# KiCad board mtk64_R_rev2.kicad_pcb (continued)
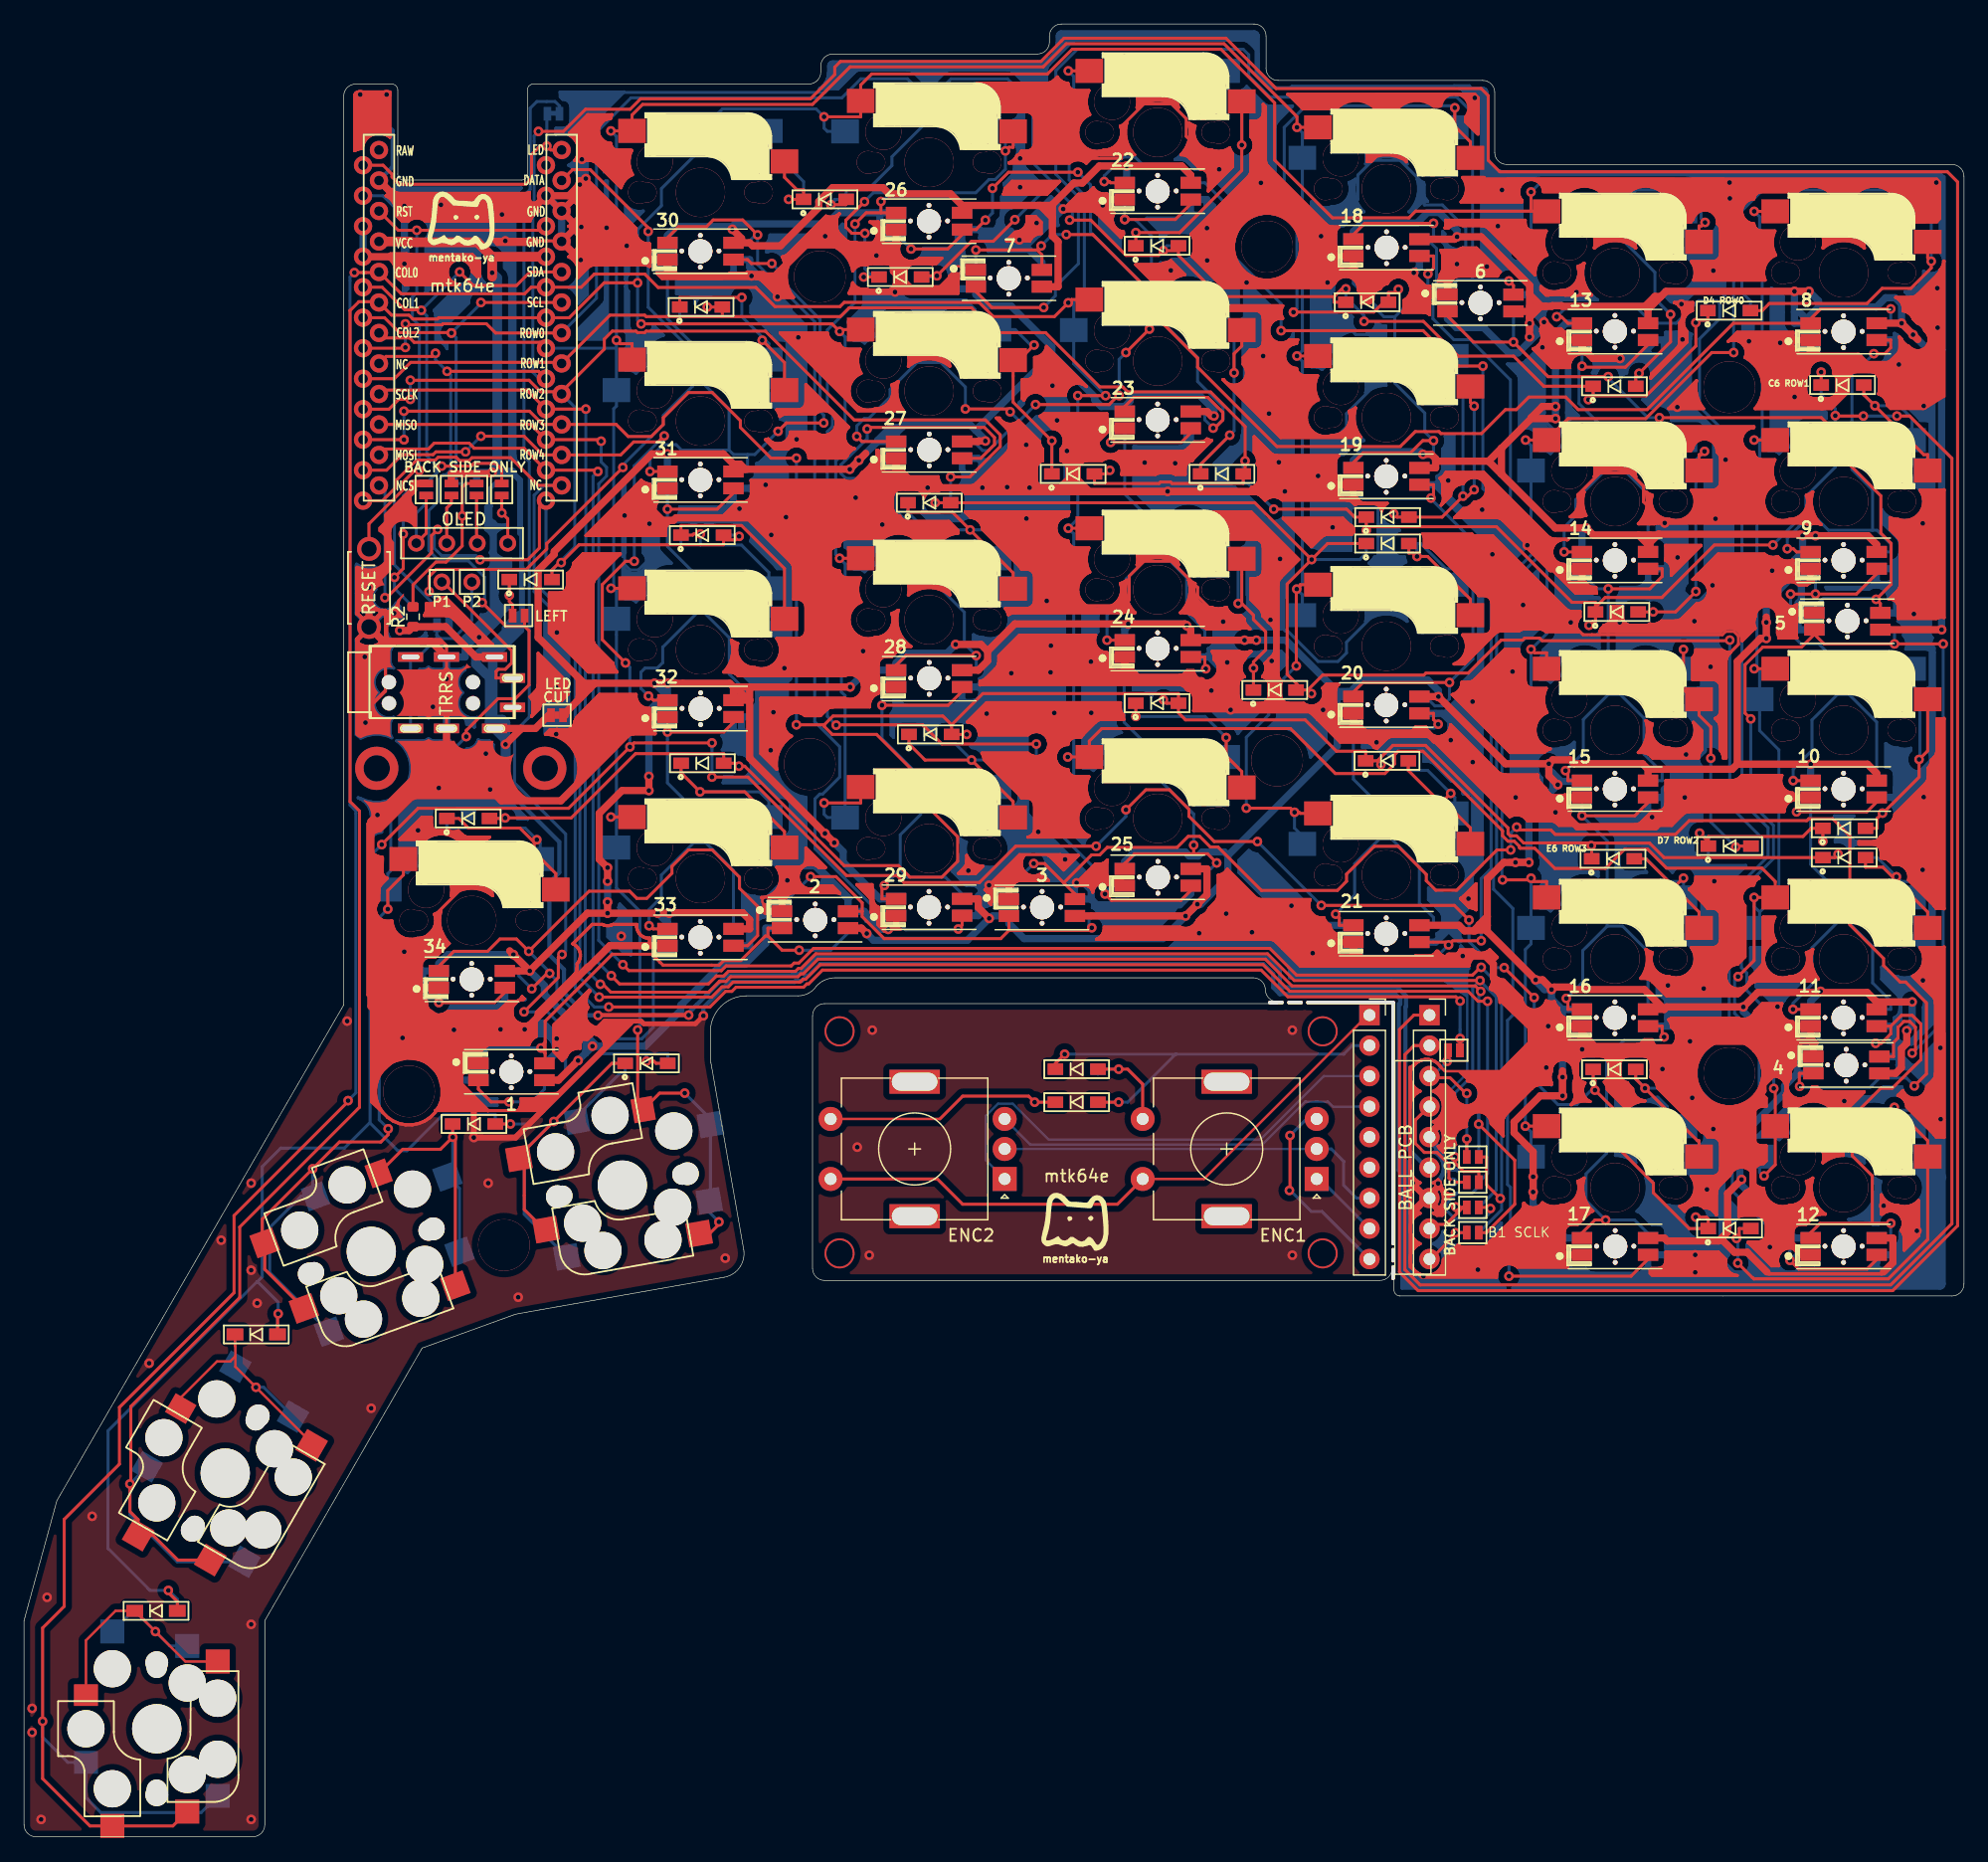
[diagram p0: board, top side]
## Routing (per net, layer and track width the routed paths; a pad name or vN(x,y) marks a point on that pad's centre or on a via; arc(x,y) is an arc through that point) (continued)
146.15,103.62 ; 88.29,114.59 88.18,114.53 ; 88.29,114.59 88.41,114.63 ; 88.29,114.59 88.18,114.53 ; 88.29,114.59 88.41,114.63 ; 84.09,121.65 84.15,121.76 ; 84.09,121.65 84.15,121.76 ; 84.15,121.76 84.19,121.88 ; 84.15,121.76 84.19,121.88 ; 49.88,137.73 49.76,137.44 ; 49.88,137.73 49.76,137.44 ; 89.97,114.74 89.81,114.64 ; 89.97,114.74 89.81,114.64 ; 89.97,114.74 90.16,114.82 ; 89.97,114.74 90.16,114.82 ; 89.81,114.64 88.53,114.64 ; 89.81,114.64 88.53,114.64 ; 84.64,133.55 84.44,133.51 ; 84.64,133.55 84.44,133.51 ; 147.15,63.55 147.15,63.59 ; 147.15,63.55 147.15,63.59 ; 76.43,112.23 76.31,112.19 ; 76.43,112.23 76.31,112.19 ; 30.46,141.59 30.48,141.58 ; 30.46,141.59 30.48,141.58 ; 83.85,90.11 84.04,90.03 ; 83.85,90.11 83.68,90.22 ; 83.85,90.11 83.68,90.22 ; 83.85,90.11 84.04,90.03 ; 84.04,90.03 84.24,89.99 ; 84.04,90.03 84.24,89.99 ; 84.67,136.83 84.62,136.83 ; 84.67,136.83 84.62,136.83 ; 84.62,136.83 81.61,136.83 ; 84.62,136.83 81.61,136.83 ; 133.18,63 133.28,62.92 ; 133.18,63 133.28,62.92 ; 108.8,75.94 108.63,76.05 ; 108.8,75.94 108.63,76.05 ; 100.45,140.68 100.29,140.57 ; 100.45,140.68 100.29,140.57 ; 132.07,116.93 132.16,116.52 ; 132.07,116.93 132.16,116.52 ; 84.83,90.11 85,90.22 ; 84.83,90.11 85,90.22 ; 46.81,68.13 46.77,68.33 ; 46.81,68.13 46.77,68.33 ; 46.77,68.33 46.77,68.54 ; 46.77,68.33 46.77,68.54 ; 145.01,111.69 144.94,111.38 ; 145.01,111.69 144.94,111.38 ; 139.39,52.65 139.18,52.65 ; 139.39,52.65 139.18,52.65 ; 139.18,52.65 138.98,52.61 ; 139.18,52.65 138.98,52.61 ; 146.73,68.12 146.9,68.01 ; 146.73,68.12 146.58,68.27 ; 146.73,68.12 146.9,68.01 ; 146.73,68.12 146.58,68.27 ; 146.9,68.01 147.08,67.93 ; 146.9,68.01 147.08,67.93 ; 94.87,108.75 94.87,109.17 ; 94.87,108.75 94.87,109.17 ; 147.38,124.39 147.37,124.18 ; 147.38,124.39 147.53,124.55 ; 147.38,124.39 147.53,124.55 ; 147.38,124.39 147.37,124.18 ; 147.37,124.18 143.33,124.18 ; 147.37,124.18 147.38,124.05 ; 147.37,124.18 147.38,124.05 ; 147.37,124.18 143.33,124.18 ; 147.37,124.18 143.33,124.18 ; 147.37,124.18 143.33,124.18 ; 134.2,84.29 134.17,84.29 ; 134.2,84.29 134.17,84.29 ; 156.45,51.59 156.34,51.76 ; 156.45,51.59 156.34,51.76 ; 156.45,51.59 156.53,51.4 ; 156.45,51.59 156.53,51.4 ; 145.52,131.51 145.78,131.68 ; 145.52,131.51 145.78,131.68 ; 156.2,103.9 156.27,104.03 ; 156.2,103.9 156.27,104.03 ; 156.2,103.9 156.15,103.85 ; 156.2,103.9 156.15,103.85 ; 156.27,104.03 156.28,104.06 ; 156.27,104.03 156.28,104.06 ; 122.25,103 122.19,103.11 ; 122.25,103 122.19,103.11 ; 122.25,103 122.29,102.88 ; 122.25,103 122.29,102.88 ; 124.8,136.31 124.8,136.17 ; 124.8,136.31 124.8,136.17 ; 117.58,59.49 117.42,59.56 ; 117.58,59.49 117.65,59.25 ; 117.58,59.49 117.42,59.56 ; 117.58,59.49 117.65,59.25 ; 66.92,106.39 66.92,106.6 ; 66.92,106.39 66.92,106.6 ; 149.16,109.41 148.96,109.37 ; 149.16,109.41 149.36,109.41 ; 149.16,109.41 149.36,109.41 ; 149.16,109.41 148.96,109.37 ; 64.96,102.91 64.86,102.99 ; 64.96,102.91 64.86,102.99 ; 46.18,135.22 46.2,135.5 ; 46.18,135.22 46.12,134.96 ; 46.18,135.22 46.2,135.5 ; 46.18,135.22 46.12,134.96 ; 46.2,135.5 46.16,135.77 ; 46.2,135.5 46.16,135.77 ; 135.55,90.01 135.52,90.05 ; 135.55,90.01 135.52,90.05 ; 43.77,100.29 43.77,103.61 ; 43.77,100.29 43.77,103.61 ; 107.09,77.28 107.17,77.09 ; 107.09,77.28 107.17,77.09 ; 107.09,77.28 107.05,77.48 ; 107.09,77.28 107.05,77.48 ; 107.17,77.09 107.28,76.92 ; 107.17,77.09 107.28,76.92 ; 115.99,62.29 115.8,62.49 ; 115.99,62.29 115.8,62.49 ; 96.19,105.95 96.17,105.96 ; 96.19,105.95 96.14,106.21 ; 96.19,105.95 96.14,106.21 ; 96.19,105.95 96.17,105.96 ; 35.64,131.15 35.49,131.01 ; 35.64,131.15 35.81,131.26 ; 35.64,131.15 35.49,131.01 ; 35.64,131.15 35.81,131.26 ; 35.49,131.01 35.38,130.84 ; 35.49,131.01 35.38,130.84 ; 146.69,71.54 146.99,71.6 ; 146.69,71.54 146.99,71.6 ; 146.99,71.6 147.09,71.64 ; 146.99,71.6 147.09,71.64 ; 159.24,77.45 159.18,77.53 ; 159.24,77.45 159.27,77.41 ; 159.24,77.45 159.27,77.41 ; 159.24,77.45 159.18,77.53 ; 109.28,94.2 109.31,94.28 ; 109.28,94.2 109.31,94.28 ; 137.08,71.64 137.18,71.6 ; 137.08,71.64 137.18,71.6 ; 137.18,71.6 137.48,71.54 ; 137.18,71.6 137.48,71.54 ; 136.75,65.59 136.95,65.63 ; 136.75,65.59 136.55,65.59 ; 136.75,65.59 136.55,65.59 ; 136.75,65.59 136.95,65.63 ; 82.32,101.93 82.2,101.9 ; 82.32,101.93 82.2,101.9 ; 82.32,101.93 82.37,101.95 ; 82.32,101.93 82.37,101.95 ; 82.2,101.9 82.03,101.81 ; 82.2,101.9 82.03,101.81 ; 81.77,102.32 83.56,102.32 ; 81.77,102.32 83.56,102.32 ; 80,145.18 79.84,145.57 ; 80,145.18 79.84,145.57 ; 84.19,140.93 84.2,141.06 ; 84.19,140.93 84.2,141.06 ; 84.2,141.06 84.2,143.06 ; 84.2,141.06 84.2,143.06 ; 129.94,105.77 129.94,105.75 ; 129.94,105.77 129.94,105.75 ; 129.94,105.77 129.68,105.77 ; 129.94,105.77 129.68,105.77 ; 99.15,98.07 99.15,98.24 ; 99.15,98.07 99.15,98.24 ; 99.15,98.24 99.15,98.28 ; 99.15,98.24 99.15,98.28 ; 70.72,78.13 70.74,77.98 ; 70.72,78.13 70.72,78.16 ; 70.72,78.13 70.72,78.16 ; 70.72,78.13 70.74,77.98 ; 70.74,77.98 70.78,77.83 ; 70.74,77.98 70.78,77.83 ; 91.9,102.06 91.7,102.02 ; 91.9,102.06 91.7,102.02 ; 39.62,68.85 39.74,68.95 ; 39.62,68.85 39.49,68.78 ; 39.62,68.85 39.49,68.78 ; 39.62,68.85 39.74,68.95 ; 39.74,68.95 39.76,68.98 ; 39.74,68.95 39.76,68.98 ; 51.01,133.43 51.09,133.24 ; 51.01,133.43 51.09,133.24 ; 51.09,133.24 51.2,133.07 ; 51.09,133.24 51.2,133.07 ; 119.82,136.27 119.73,136.17 ; 119.82,136.27 119.73,136.17 ; 121.25,62.03 121.21,62.23 ; 121.25,62.03 121.21,62.23 ; 109.31,132.38 109.28,132.45 ; 109.31,132.38 109.28,132.45 ; 84.72,115.79 84.83,115.62 ; 84.72,115.79 84.83,115.62 ; 84.83,115.62 84.88,115.57 ; 84.83,115.62 84.88,115.57 ; 96.41,140.11 96.39,140.11 ; 96.41,140.11 96.39,140.11 ; 82.6,133.66 82.66,133.66 ; 82.6,133.66 82.66,133.66 ; 134.02,62.25 134.02,62.31 ; 134.02,62.25 134.02,62.31 ; 120.65,49.13 120.71,49.15 ; 120.65,49.13 120.53,49.12 ; 120.65,49.13 120.53,49.12 ; 120.65,49.13 120.71,49.15 ; 95.99,129.9 96.38,130.06 ; 95.99,129.9 96.38,130.06 ; 53.48,93.42 53.74,93.42 ; 53.48,93.42 53.48,93.4 ; 53.48,93.42 53.74,93.42 ; 53.48,93.42 53.48,93.4 ; 53.74,93.42 53.74,93.4 ; 53.74,93.42 53.74,93.4 ; 146.09,101.78 146.03,101.96 ; 146.09,101.78 146.03,101.96 ; 73.22,113.39 73.12,113.48 ; 73.22,113.39 73.12,113.48 ; 95.11,109.97 94.95,109.58 ; 95.11,109.97 94.95,109.58 ; 90.22,135.88 90.23,135.75 ; 90.22,135.88 90.22,136.09 ; 90.22,135.88 90.22,136.09 ; 90.22,135.88 90.23,135.75 ; 146.7,61.85 146.78,62.03 ; 146.7,61.85 146.78,62.03 ; 129.73,62.92 129.84,62.86 ; 129.73,62.92 129.84,62.86 ; 129.73,62.92 129.63,63 ; 129.73,62.92 129.63,63 ; 103.72,96 103.71,96.13 ; 103.72,96 103.72,95.05 ; 103.72,96 103.71,96.13 ; 103.72,96 103.72,95.05 ; 121.11,73.64 121.31,73.6 ; 121.11,73.64 121.31,73.6 ; 121.11,73.64 120.92,73.72 ; 121.11,73.64 120.92,73.72 ; 121.31,73.6 121.51,73.6 ; 121.31,73.6 121.51,73.6 ; 88.46,139.46 88.3,139.57 ; 88.46,139.46 88.3,139.57 ; 72.72,101.64 72.72,101.11 ; 72.72,101.64 72.72,101.11 ; 147.56,104.67 147.66,104.6 ; 147.56,104.67 147.66,104.6 ; 147.56,104.67 147.48,104.77 ; 147.56,104.67 147.48,104.77 ; 147.66,104.6 147.77,104.54 ; 147.66,104.6 147.77,104.54 ; 28.68,102.42 29,102.4 ; 28.68,102.42 29,102.4 ; 117.11,73.39 117.23,73.4 ; 117.11,73.39 115.94,73.39 ; 117.11,73.39 115.94,73.39 ; 117.11,73.39 117.23,73.4 ; 106.31,121.82 106.42,121.76 ; 106.31,121.82 106.42,121.76 ; 67.12,134.92 67.33,134.92 ; 67.12,134.92 67.33,134.92 ; 144.31,79.7 144.23,79.6 ; 144.31,79.7 144.23,79.6 ; 144.23,79.6 144.17,79.49 ; 144.23,79.6 144.17,79.49 ; 48.98,143.45 46.97,143.45 45.46,141.94 45.46,141.74 ; 48.98,143.45 48.92,143.34 ; 48.98,143.45 48.92,143.34 ; 140.98,134.97 140.86,135.14 ; 140.98,134.97 140.86,135.14 ; 140.86,135.14 140.72,135.28 ; 140.86,135.14 140.72,135.28 ; 58.79,130.24 59.96,130.24 ; 58.79,130.24 58.74,130.14 ; 58.79,130.24 58.74,130.14 ; 58.79,130.24 59.96,130.24 ; 113.85,129.71 113.7,129.57 ; 113.85,129.71 113.7,129.57 ; 113.7,129.57 113.59,129.4 ; 113.7,129.57 113.59,129.4 ; 88.86,79.06 88.76,79.14 ; 88.86,79.06 88.94,78.96 ; 88.86,79.06 88.94,78.96 ; 88.86,79.06 88.76,79.14 ; 83.31,119.67 83.17,119.82 ; 83.31,119.67 83.17,119.82 ; 30.76,64.56 31.26,64.77 ; 30.76,64.56 31.26,64.77 ; 81.88,117.32 81.85,117.35 ; 81.88,117.32 81.85,117.35 ; 111.22,111.28 111.32,111.19 ; 111.22,111.28 111.32,111.19 ; 144.45,71.27 144.37,71.27 ; 144.45,71.27 144.37,71.27 ; 144.37,71.27 144.27,71.26 ; 144.37,71.27 144.27,71.26 ; 104.03,111.62 103.83,111.58 ; 104.03,111.62 103.83,111.58 ; 45.68,92.4 45.76,92.5 ; 45.68,92.4 45.76,92.5 ; 148.93,73.39 148.93,72.86 ; 148.93,73.39 148.93,72.86 ; 148.93,72.86 149.03,72.34 ; 148.93,72.86 149.03,72.34 ; 50.99,94.92 50.99,95.13 ; 50.99,94.92 50.99,95.13 ; 127.19,62.98 127.15,63.18 ; 127.19,62.98 127.15,63.18 ; 109.28,113.4 109.31,113.33 ; 109.28,113.4 109.27,113.53 ; 109.28,113.4 109.31,113.33 ; 109.28,113.4 109.27,113.53 ; 140.17,52.38 140.13,52.38 ; 140.17,52.38 140.13,52.38 ; 150.08,57.26 150.43,57.5 ; 150.08,57.26 149.87,57.17 ; 150.08,57.26 150.43,57.5 ; 150.08,57.26 149.87,57.17 ; 150.43,57.5 150.73,57.79 ; 150.43,57.5 150.73,57.79 ; 46.19,130.21 46.19,130.48 ; 46.19,130.21 46.14,129.94 ; 46.19,130.21 46.14,129.94 ; 46.19,130.21 46.19,130.48 ; 46.19,130.48 46.14,130.75 ; 46.19,130.48 46.14,130.75 ; 47.1,70.53 46.44,69.87 ; 47.1,70.53 47.1,70.53 ; 47.1,70.53 46.44,69.87 ; 47.1,70.53 47.1,70.53 ; 46.44,69.87 46.42,69.85 ; 46.44,69.87 46.42,69.85 ; 144.1,54.45 144.11,54.49 ; 144.1,54.45 144.02,54.26 ; 144.1,54.45 144.11,54.49 ; 144.1,54.45 144.02,54.26 ; 129.71,123.54 129.51,123.5 ; 129.71,123.54 129.51,123.5 ; 129.51,123.5 129.32,123.42 ; 129.51,123.5 129.32,123.42 ; 148.11,66.12 147.99,66.08 ; 148.11,66.12 147.99,66.08 ; 139.04,72.37 139.16,72.66 ; 139.04,72.37 139.16,72.66 ; 139.04,72.37 138.87,72.11 ; 139.04,72.37 138.87,72.11 ; 139.16,72.66 139.22,72.97 ; 139.16,72.66 139.22,72.97 ; 128.32,86.08 128.33,85.95 ; 128.32,86.08 128.33,86.29 ; 128.32,86.08 128.33,85.95 ; 128.32,86.08 128.33,86.29 ; 128.33,85.95 128.37,85.83 ; 128.33,85.95 128.37,85.83 ; 145.95,74.6 145.78,74.53 ; 145.95,74.6 145.91,74.65 ; 145.95,74.6 145.78,74.53 ; 145.95,74.6 145.91,74.65 ; 145.78,74.53 145.52,74.36 ; 145.78,74.53 145.52,74.36 ; 109.27,95.48 109.27,94.48 ; 109.27,95.48 109.27,94.48 ; 129.32,123.42 129.15,123.3 ; 129.32,123.42 129.15,123.3 ; 36.77,65.51 36.66,65.46 36.77,65.51 ; 36.77,65.51 36.89,65.55 ; 36.77,65.51 36.89,65.55 ; 127.77,84.38 127.75,84.4 ; 127.77,84.38 127.89,84.25 ; 127.77,84.38 127.75,84.4 ; 127.77,84.38 127.89,84.25 ; 127.75,84.4 127.63,84.5 ; 127.75,84.4 127.63,84.5 ; 83.91,102.43 84.01,102.5 ; 83.91,102.43 84.01,102.5 ; 109.31,94.28 109.28,94.35 ; 109.31,94.28 109.28,94.35 ; 156.19,61.81 156.22,61.84 ; 156.19,61.81 156.13,61.76 ; 156.19,61.81 156.22,61.84 ; 156.19,61.81 156.13,61.76 ; 156.22,61.84 156.54,62.16 ; 156.22,61.84 156.54,62.16 ; 126.14,124.18 128.32,124.18 ; 126.14,124.18 128.32,124.18 ; 126.14,124.18 128.32,124.18 ; 126.14,124.18 126.24,124.27 ; 126.14,124.18 128.32,124.18 ; 126.14,124.18 126.24,124.27 ; 131,103.65 131.02,103.59 ; 131,103.65 130.96,103.85 ; 131,103.65 130.96,103.85 ; 131,103.65 131.02,103.59 ; 131.02,103.59 131.02,103.58 ; 131.02,103.59 131.02,103.58 ; 132.16,135.57 132.07,135.98 ; 132.16,135.57 132.16,135.15 ; 132.16,135.57 132.07,135.98 ; 132.16,135.57 132.16,135.15 ; 132.07,135.98 131.91,136.37 ; 132.07,135.98 131.91,136.37 ; 73.67,104.47 73.74,104.13 ; 73.67,104.47 73.74,104.13 ; 156.16,101.49 159.32,101.49 ; 156.16,101.49 159.32,101.49 ; 135.21,90.25 135.37,90.17 ; 135.21,90.25 135.37,90.17 ; 116.66,108.33 116.65,108.37 ; 116.66,108.33 116.67,108.2 ; 116.66,108.33 116.67,108.2 ; 116.66,108.33 116.65,108.37 ; 116.65,108.37 122.36,108.37 ; 116.65,108.37 122.36,108.37 ; 97.53,141.54 97.64,141.27 ; 97.53,141.54 97.47,141.83 ; 97.53,141.54 97.64,141.27 ; 97.53,141.54 97.47,141.83 ; 97.64,141.27 97.81,141.03 ; 97.64,141.27 97.81,141.03 ; 147.53,86.7 147.38,86.86 ; 147.53,86.7 147.38,86.86 ; 130.9,103.59 129.29,103.59 ; 130.9,103.59 130.94,103.59 ; 130.9,103.59 130.94,103.59 ; 130.9,103.59 129.29,103.59 ; 108.37,76.37 108.48,76.2 ; 108.37,76.37 108.48,76.2 ; 63.37,118.52 63.25,118.48 ; 63.37,118.52 63.25,118.48 ; 157.92,110.22 158.09,110.47 ; 157.92,110.22 157.7,109.99 ; 157.92,110.22 157.7,109.99 ; 157.92,110.22 158.09,110.47 ; 158.09,110.47 158.21,110.76 ; 158.09,110.47 158.21,110.76 ; 91.58,98.15 91.58,97.3 ; 91.58,98.15 91.58,97.3 ; 82.94,100.09 81.22,98.37 ; 82.94,100.09 81.22,98.37 ; 94.2,106.56 93.68,106.46 ; 94.2,106.56 94.72,106.56 ; 94.2,106.56 93.68,106.46 ; 94.2,106.56 94.72,106.56 ; 101.15,96 101.15,95.05 ; 101.15,96 101.16,96.13 ; 101.15,96 101.15,95.05 ; 101.15,96 101.16,96.13 ; 101.15,95.05 101.16,94.93 ; 101.15,95.05 101.16,94.93 ; 88.63,143.38 88.37,143.21 ; 88.63,143.38 88.37,143.21 ; 88.63,143.38 88.8,143.45 ; 88.63,143.38 88.8,143.45 ; 88.37,143.21 88.15,142.99 ; 88.37,143.21 88.15,142.99 ; 144.66,72.43 144.69,72.45 ; 144.66,72.43 144.69,72.45 ; 144.66,72.43 143.84,71.61 ; 144.66,72.43 143.84,71.61 ; 34.43,70.85 34.43,70.87 ; 34.43,70.85 34.43,70.87 ; 34.43,70.85 33.23,70.85 ; 34.43,70.85 33.23,70.85 ; 34.43,70.87 34.69,70.87 ; 34.43,70.87 34.69,70.87 ; 118.2,112.63 118.2,112.59 ; 118.2,112.63 118.2,112.59 ; 136.11,91.02 135.91,91.23 ; 136.11,91.02 135.91,91.23 ; 103.06,124.05 103.14,124.15 ; 103.06,124.05 103.14,124.15 ; 104.16,98.58 104.2,98.73 ; 104.16,98.58 104.2,98.73 ; 104.2,98.73 104.21,98.84 ; 104.2,98.73 104.21,98.84 ; 39.16,68.73 39.2,68.72 ; 39.16,68.73 39.2,68.72 ; 158.65,89.04 158.7,89.08 ; 158.65,89.04 158.65,88.31 ; 158.65,89.04 158.7,89.08 ; 158.65,89.04 158.65,88.31 ; 142.44,55.56 142.3,55.41 ; 142.44,55.56 142.3,55.41 ; 84.2,104.96 84.19,105.08 ; 84.2,104.96 84.19,105.08 ; 67.53,134.96 67.33,134.92 ; 67.53,134.96 67.33,134.92 ; 143.23,77.76 143.15,77.94 ; 143.23,77.76 143.15,77.94 ; 66.53,118.8 66.33,118.76 ; 66.53,118.8 66.33,118.76 ; 66.33,118.76 66.14,118.69 ; 66.33,118.76 66.14,118.69 ; 91.28,103.17 91.39,103.44 ; 91.28,103.17 91.39,103.44 ; 131.93,62.29 131.89,62.49 ; 131.93,62.29 131.89,62.49 ; 89.73,115.49 89.87,115.35 ; 89.73,115.49 89.87,115.35 ; 89.87,115.35 90.04,115.23 ; 89.87,115.35 90.04,115.23 ; 63.69,131.86 63.72,131.89 ; 63.69,131.86 63.54,131.74 ; 63.69,131.86 63.72,131.89 ; 63.69,131.86 63.54,131.74 ; 83.59,134.6 83.59,134.8 ; 83.59,134.6 83.59,134.8 ; 149.01,67.65 149.01,67.4 ; 149.01,67.65 148.99,67.65 ; 149.01,67.65 148.99,67.65 ; 149.01,67.65 149.01,67.4 ; 149.01,67.4 148.99,67.4 ; 149.01,67.4 148.99,67.4 ; 63.01,76.96 63.01,77.22 ; 63.01,76.96 63.01,77.22 ; 73.51,130.53 73.5,130.4 ; 73.51,130.53 73.5,130.4 ; 73.5,130.4 73.5,129.45 ; 73.5,130.4 73.5,129.45 ; 64.75,99.87 64.86,99.93 ; 64.75,99.87 64.86,99.93 ; 140.71,74.07 140.83,74.08 ; 140.71,74.07 138.92,74.07 ; 140.71,74.07 138.92,74.07 ; 140.71,74.07 140.83,74.08 ; 140.83,74.08 140.95,74.12 ; 140.83,74.08 140.95,74.12 ; 71.09,133.67 71.09,133.47 ; 71.09,133.67 71.09,133.47 ; 53.48,112.45 53.48,112.47 ; 53.48,112.45 53.48,112.47 ; 53.48,112.47 53.74,112.47 ; 53.48,112.47 53.74,112.47 ; 145.12,63.14 144.98,63 ; 145.12,63.14 145.29,63.25 ; 145.12,63.14 144.98,63 ; 145.12,63.14 145.29,63.25 ; 110.89,131.82 110.89,131.8 ; 110.89,131.82 110.89,131.8 ; 110.89,131.82 110.63,131.82 ; 110.89,131.82 110.63,131.82 ; 110.89,131.8 110.91,131.8 ; 110.89,131.8 110.91,131.8 ; 119.76,95.85 119.8,96.05 ; 119.76,95.85 119.68,95.66 ; 119.76,95.85 119.68,95.66 ; 119.76,95.85 119.8,96.05 ; 119.8,96.05 119.8,96.17 ; 119.8,96.05 119.8,96.17 ; 143.66,115.43 143.85,115.35 ; 143.66,115.43 143.85,115.35 ; 143.85,115.35 144.05,115.31 ; 143.85,115.35 144.05,115.31 ; 102.85,142.97 102.73,142.93 ; 102.85,142.97 102.73,142.93 ; 30.01,76.28 30.21,76.24 ; 30.01,76.28 29.82,76.36 ; 30.01,76.28 30.21,76.24 ; 30.01,76.28 29.82,76.36 ; 30.21,76.24 30.41,76.24 ; 30.21,76.24 30.41,76.24 ; 89.27,81.03 89.59,81.03 ; 89.27,81.03 89.59,81.03 ; 29.29,62.36 28.95,62.36 ; 29.29,62.36 28.95,62.36 ; 29.29,62.36 28.95,62.36 ; 29.29,62.36 28.95,62.36 ; 29.29,62.36 29.4,62.9 ; 29.29,62.36 29.4,62.9 ; 28.95,62.36 28.95,64.93 ; 28.95,62.36 28.95,61.22 ; 28.95,62.36 28.95,64.93 ; 145.01,129.81 144.94,130.12 ; 145.01,129.81 144.94,130.12 ; 149.01,48.6 148.99,48.6 ; 149.01,48.6 148.99,48.6 ; 47.55,104.73 47.62,104.82 ; 47.55,104.73 47.62,104.82 ; 85.08,123.77 85.15,123.96 ; 85.08,123.77 84.96,123.6 ; 85.08,123.77 85.15,123.96 ; 85.08,123.77 84.96,123.6 ; 85.15,123.96 85.19,124.14 ; 85.15,123.96 85.19,124.14 ; 137.99,127.47 138.1,127.3 ; 137.99,127.47 138.1,127.3 ; 119.91,112.7 119.79,112.7 ; 119.91,112.7 119.79,112.7 ; 119.79,112.7 119.59,112.66 ; 119.79,112.7 119.59,112.66 ; 44.59,94.64 44.47,94.62 ; 44.59,94.64 44.47,94.62 ; 145.52,74.36 145.3,74.14 ; 145.52,74.36 145.3,74.14 ; 67.93,105.46 67.93,105.37 ; 67.93,105.46 67.85,105.46 ; 67.93,105.46 67.93,105.37 ; 67.93,105.46 67.85,105.46 ; 67.93,105.37 67.97,105.25 ; 67.93,105.37 67.97,105.25 ; 109.56,130.65 109.67,130.59 ; 109.56,130.65 109.67,130.59 ; 109.56,130.65 109.46,130.72 ; 109.56,130.65 109.46,130.72 ; 109.67,130.59 109.79,130.55 ; 109.67,130.59 109.79,130.55 ; 27.7,145.28 27.76,145.31 ; 27.7,145.28 27.76,145.31 ; 92.93,107.06 93.28,107.3 ; 92.93,107.06 93.28,107.3 ; 148.99,124.8 149.01,124.8 ; 148.99,124.8 149.01,124.8 ; 148.99,124.8 148.99,124.82 ; 148.99,124.8 148.99,124.82 ; 149.01,124.8 149.01,124.55 ; 149.01,124.8 149.01,124.55 ; 29.56,78.97 29.55,78.86 ; 29.56,78.97 29.55,78.86 ; 29.55,78.86 29.55,78.82 ; 29.55,78.86 29.55,78.82 ; 147.77,66.44 147.66,66.49 ; 147.77,66.44 147.66,66.49 ; 159.3,58.29 159.24,58.4 ; 159.3,58.29 159.24,58.4 ; 67.72,133.92 67.77,133.78 ; 67.72,133.92 67.77,133.78 ; 47.98,142.59 47.9,142.4 ; 47.98,142.59 47.9,142.4 ; 47.98,142.59 48.09,142.76 ; 47.98,142.59 48.09,142.76 ; 47.9,142.4 47.86,142.2 ; 47.9,142.4 47.86,142.2 ; 139.14,134.97 139.26,135.14 ; 139.14,134.97 139.26,135.14 ; 33.96,84.23 33.95,84.35 ; 33.96,84.23 33.95,84.35 ; 139.79,104.65 139.6,104.73 ; 139.79,104.65 139.6,104.73 ; 139.6,104.73 139.4,104.76 ; 139.6,104.73 139.4,104.76 ; 42.83,95.8 42.84,95.91 ; 42.83,95.8 42.79,95.66 ; 42.83,95.8 42.79,95.66 ; 42.83,95.8 42.84,95.91 ; 84.43,80.07 84.62,80.15 ; 84.43,80.07 84.62,80.15 ; 84.62,80.15 84.76,80.25 ; 84.62,80.15 84.76,80.25 ; 142.15,72.46 142,72.31 ; 142.15,72.46 142.32,72.57 ; 142.15,72.46 142.32,72.57 ; 142.15,72.46 142,72.31 ; 44.18,66.19 44.18,66.15 ; 44.18,66.19 44.18,66.15 ; 44.18,66.19 44.18,66.22 ; 44.18,66.19 44.18,66.22 ; 44.18,66.15 44.18,65.56 ; 44.18,66.15 44.18,65.56 ; 96.75,96.93 96.65,96.84 ; 96.75,96.93 96.65,96.84 ; 50.7,138.45 50.53,138.38 ; 50.7,138.45 50.53,138.38 ; 50.7,138.45 50.66,138.5 ; 50.7,138.45 50.66,138.5 ; 128,125.62 128.01,125.62 ; 128,125.62 128.01,125.62 ; 128.01,125.62 128.07,125.56 ; 128.01,125.62 128.07,125.56 ; 128.72,66.44 128.84,66.4 ; 128.72,66.44 128.84,66.4 ; 53.48,93.13 53.48,93.15 ; 53.48,93.13 53.48,93.15 ; 59.32,96.87 59.16,96.95 ; 59.32,96.87 59.46,96.75 ; 59.32,96.87 59.16,96.95 ; 59.32,96.87 59.46,96.75 ; 59.16,96.95 58.98,97.01 ; 59.16,96.95 58.98,97.01 ; 141.06,55.12 141.16,55.2 ; 141.06,55.12 141.16,55.2 ; 141.06,55.12 140.95,55.07 ; 141.06,55.12 140.95,55.07 ; 147.72,101.25 147.69,101.33 ; 147.72,101.25 147.69,101.33 ; 99.2,127.66 99.17,127.68 ; 99.2,127.66 99.17,127.68 ; 52.52,92.19 52.58,92.17 ; 52.52,92.19 52.58,92.17 ; 52.52,92.19 52.41,92.25 ; 52.52,92.19 52.41,92.25 ; 124.96,52.73 124.96,52.79 ; 124.96,52.73 124.96,52.79 ; 76.29,112.79 76.4,112.62 ; 76.29,112.79 76.21,112.97 ; 76.29,112.79 76.21,112.97 ; 76.29,112.79 76.4,112.62 ; 76.4,112.62 76.55,112.47 ; 76.4,112.62 76.55,112.47 ; 42.58,68.22 42.66,68.41 ; 42.58,68.22 42.66,68.41 ; 42.58,68.22 42.47,68.05 ; 42.58,68.22 42.47,68.05 ; 119.59,112.66 119.4,112.58 ; 119.59,112.66 119.4,112.58 ; 155.58,123 155.6,123.03 ; 155.58,123 155.6,123.03 ; 42.03,136.92 42.1,136.95 ; 42.03,136.92 41.96,136.9 ; 42.03,136.92 42.1,136.95 ; 42.03,136.92 41.96,136.9 ; 42.1,136.95 42.11,136.95 ; 42.1,136.95 42.11,136.95 ; 122.85,70.09 122.74,70.26 ; 122.85,70.09 122.93,69.9 ; 122.85,70.09 122.93,69.9 ; 122.85,70.09 122.74,70.26 ; 108.45,134.34 108.48,134.31 ; 108.45,134.34 103.69,139.1 ; 108.45,134.34 108.48,134.31 ; 108.45,134.34 103.69,139.1 ; 108.48,134.31 